# Altium PCB Motherboard.PcbDoc (part 1 of 3) (continued)
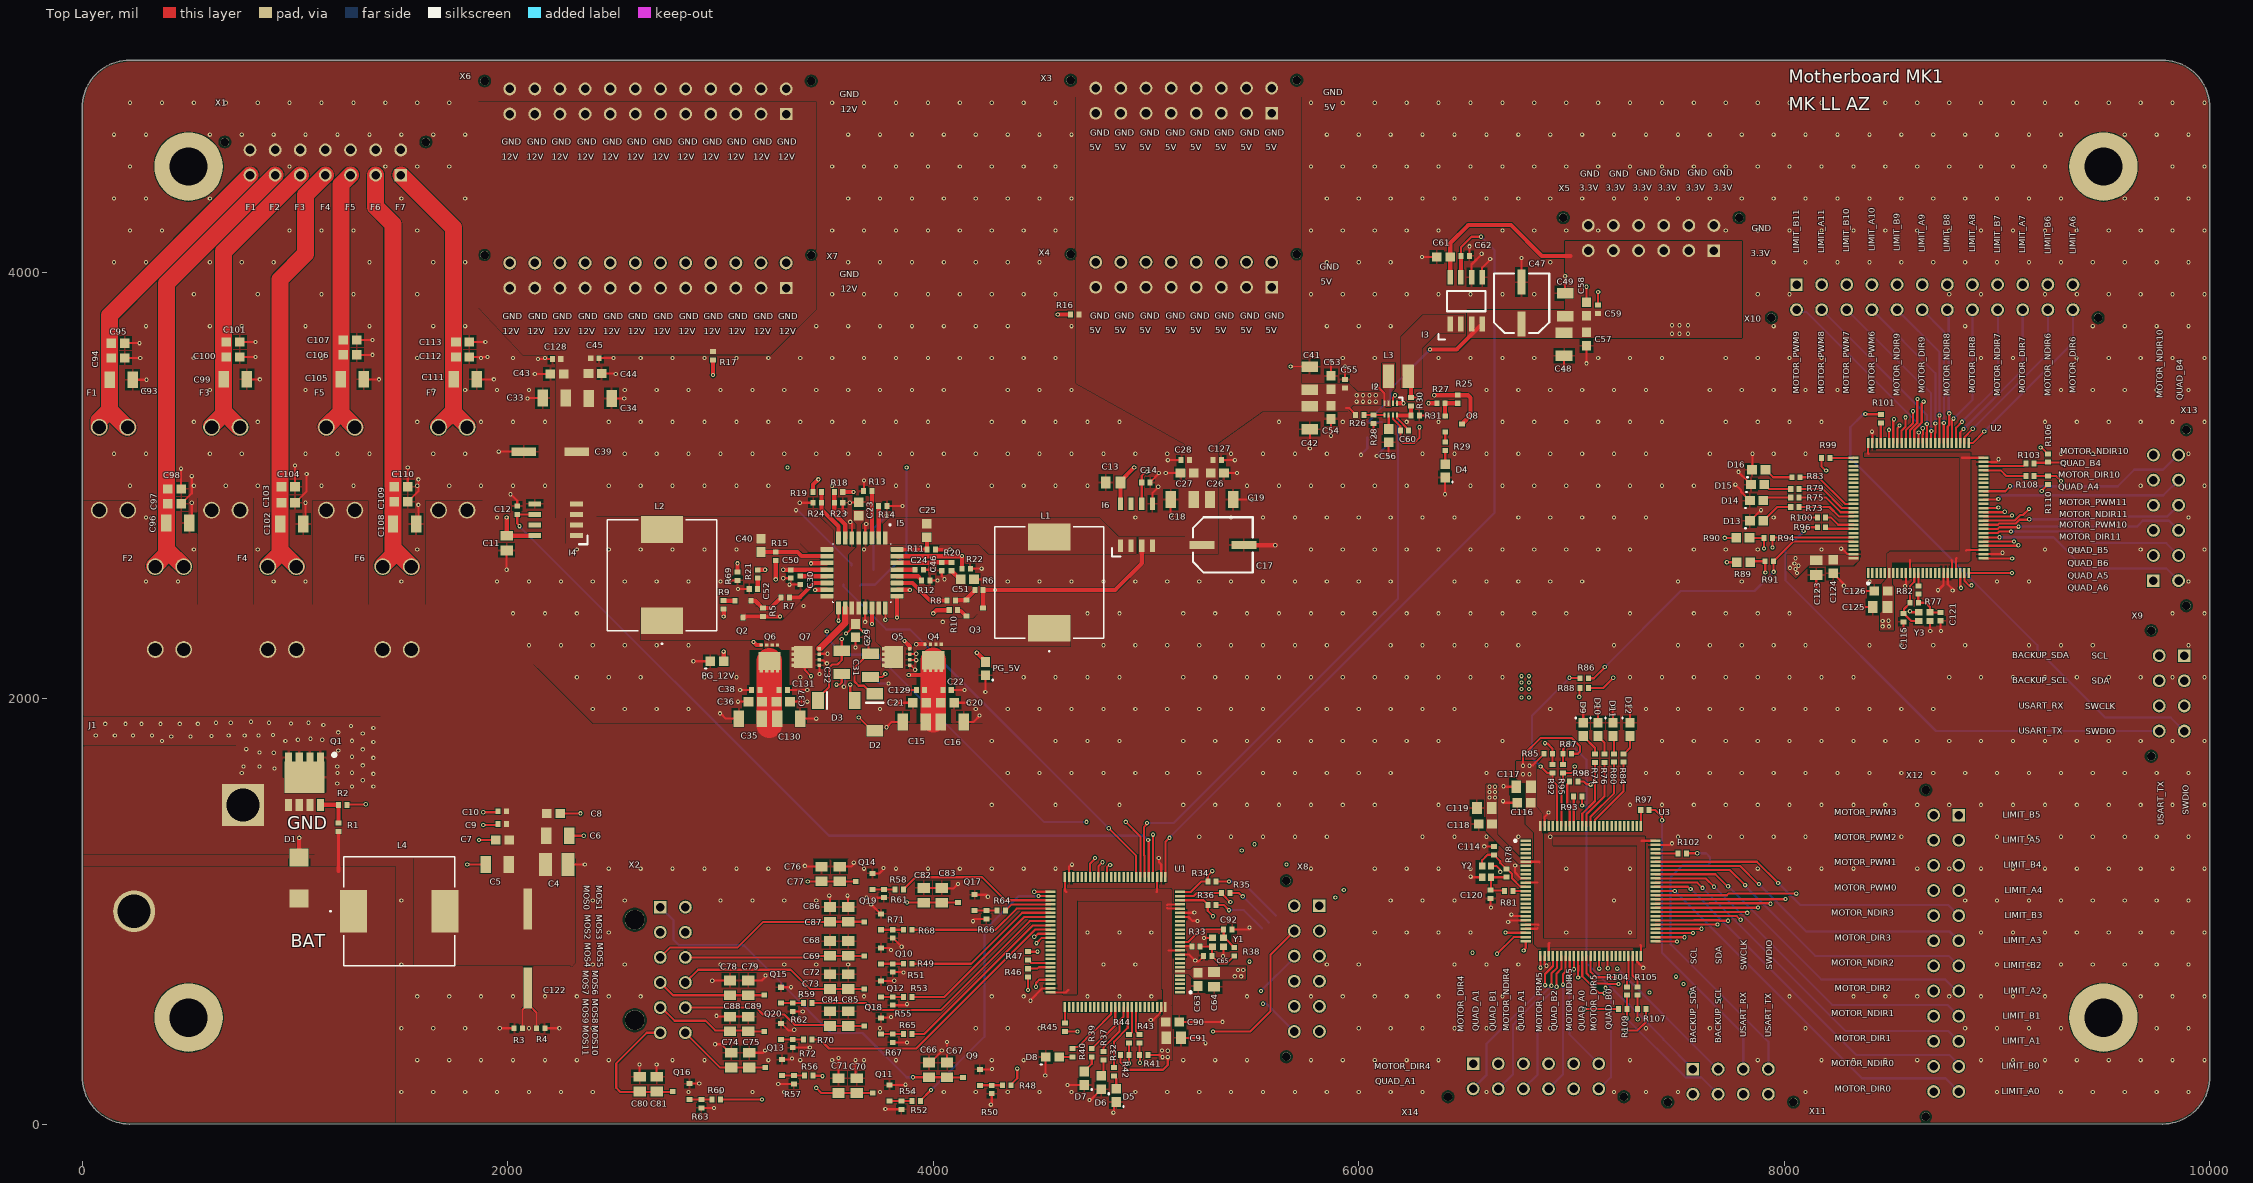
[diagram p0: Top Layer view]
## Components (designator, comment, footprint, x,y, rotation, side; value= is the part's Value field where it differs from the comment) (continued)
R96 "RC0402FR-070RL" RES-0402 8175,2805 r180 top
R97 "RC0402FR-070RL" RES-0402 7345,1475 r0 top
R98 "RC0402FR-070RL" RES-0402 7010,1610 r0 top
R99 "RC0402FR-070RL" RES-0402 8195,3130 r180 top
R100 "RC0402FR-070RL" RES-0402 8175,2850 r180 top
R101 "RC0402FR-070RL" RES-0402 8455,3315 r90 top
R102 "RC0402FR-070RL" RES-0402 7520,1272.17 r0 top
R103 "RC0402FR-070RL" RES-0402 9155,3105 r180 top
R104 "RC0402FR-070RL" RES-0402 7260,625 r90 top
R105 "RC0402FR-070RL" RES-0402 7310,625 r90 top
R106 "RC0402FR-7W4K7L" RES-0402 9240,3130 r90 top
R107 "RC0402FR-7W4K7L" RES-0402 7330,540 r0 top
R108 "RC0402FR-070RL" RES-0402 9155,3045 r180 top
R109 "RC0402FR-7W4K7L" RES-0402 7240,540 r0 top
R110 "RC0402FR-7W4K7L" RES-0402 9240,3025 r90 top
U1 "STM32F100VBT7B" IC-STM32F100-0001 4855.31,855 r90 top
U2 "STM32F100VBT7B" IC-STM32F100-0001 8630.32,2895.12 r0 top
U3 "STM32F100VBT7B" IC-STM32F100-0001 7090,1095 r270 top
X1 "Molex - Micro-Fit 3.0 Series connector,  3.00mm (0.118\") pitch header, 14 positions." 43045-1412 1143.11,4460 r0 top
X2 "Molex - Micro-Fit 3.0 Series connector,  3.00mm (0.118\") pitch header, 12 positions." 44764-1201 2716.89,724.06 r270 top
X3 "Molex - Micro-Fit 3.0 Series connector,  3.00mm (0.118\") pitch header, 16 positions." 43045-1612 5177.17,4750.69 r0 top
X4 "Molex - Micro-Fit 3.0 Series connector,  3.00mm (0.118\") pitch header, 16 positions." 43045-1612 5177.17,3932.8 r0 top
X5 "Molex - Micro-Fit 3.0 Series connector,  3.00mm (0.118\") pitch header, 12 positions." 43045-1212 7374.06,4105 r0 top
X6 "Molex 43045-2412" 43045-2412 2659.06,4746.89 r0 top
X7 "Molex 43045-2412" 43045-2412 2659.06,3929 r0 top
X8 "Molex - Micro-Fit 3.0 Series connector,  3.00mm (0.118\") pitch header, 12 positions." 43045-1212 5815,730 r90 top
X9 "Molex 43045-0812" 43045-0812 9880,2024.06 r90 top
X10 "Molex 43045-2412" 43045-2412 8707.17,3945 r180 top
X11 "Molex 43045-0812" 43045-0812 7747.83,258.11 r180 top
X12 "Molex 43045-2412" 43045-2412 8820,802.17 r90 top
X13 "Molex - Micro-Fit 3.0 Series connector,  3.00mm (0.118\") pitch header, 12 positions." 43045-1212 9735,2849.06 r270 top
X14 "Molex - Micro-Fit 3.0 Series connector,  3.00mm (0.118\") pitch header, 12 positions." 43045-1212 6832.83,283.11 r180 top
Y1 "ECS-240-6-37B-7KM-TR" CRYSTAL-4-SMD-0001 5311.85,833.66 r0 top
Y2 "ECS-240-6-37B-7KM-TR" CRYSTAL-4-SMD-0001 6580,1213.15 r270 top
Y3 "ECS-240-6-37B-7KM-TR" CRYSTAL-4-SMD-0001 8631.85,2363.66 r0 top

## Footprints (in the part's own frame and the unit in brackets; to place one, negate y for a bottom-side part, rotate by r counter-clockwise, add the part's x,y. Pads: shape width x height; smd on the part's side, far side on the other; paste and mask are expansions set on the pad)
43045-0812 [mm]
  round 1.02 hole 1.02 unplated: 1(-7.5,3.94) 1(7.5,3.94)
  rect 1.482x1.482 / inner rect 1.524x1.524 / far side rect 1.482x1.482 hole 1.02: P$1(4.5,0)
  round 1.53 / inner round 1.524 / far side round 1.53 hole 1.02: P$2(1.5,0) P$3(-1.5,0) P$4(-4.5,0) P$5(4.5,3) P$6(1.5,3) P$7(-1.5,3) P$8(-4.5,3)
  body extent -8.07,-2.45 8.08,6.32, height 10.03
43045-1212 [mm]
  round 1.02 hole 1.02 unplated: 1(-10.5,3.94) 1(10.5,3.94)
  rect 1.482x1.482 / inner rect 1.524x1.524 / far side rect 1.482x1.482 hole 1.02: P$1(7.5,0)
  round 1.53 / inner round 1.524 / far side round 1.53 hole 1.02: P$2(4.5,0) P$3(1.5,0) P$4(-1.5,0) P$5(-4.5,0) P$6(-7.5,0) P$7(7.5,3) P$8(4.5,3) P$9(1.5,3) P$10(-1.5,3) P$11(-4.5,3) P$12(-7.5,3)
43045-1412 [mm]
  round 1.02 hole 1.02 unplated: 1(-12,3.94) 1(12,3.94)
  rect 1.482x1.482 / inner rect 1.524x1.524 / far side rect 1.482x1.482 hole 1.02: P$1(9,0)
  round 1.53 / inner round 1.524 / far side round 1.53 hole 1.02: P$2(6,0) P$3(3,0) P$4(0,0) P$5(-3,0) P$6(-6,0) P$7(-9,0) P$8(9,3) P$9(6,3) P$10(3,3) P$11(0,3) P$12(-3,3) P$13(-6,3) P$14(-9,3)
43045-1612 [mm]
  round 1.02 hole 1.02 unplated: 1(-13.5,3.94) 1(13.5,3.94)
  rect 1.482x1.482 / inner rect 1.524x1.524 / far side rect 1.482x1.482 hole 1.02: P$1(10.5,0)
  round 1.53 / inner round 1.524 / far side round 1.53 hole 1.02: P$2(7.5,0) P$3(4.5,0) P$4(1.5,0) P$5(-1.5,0) P$6(-4.5,0) P$7(-7.5,0) P$8(-10.5,0) P$9(10.5,3) P$10(7.5,3) P$11(4.5,3) P$12(1.5,3) P$13(-1.5,3) P$14(-4.5,3) P$15(-7.5,3) P$16(-10.5,3)
43045-2412 [mm]
  round 1.02 hole 1.02 unplated: 1(-19.5,3.94) 1(19.5,3.94)
  rect 1.482x1.482 / inner rect 1.524x1.524 / far side rect 1.482x1.482 hole 1.02: P$1(16.5,0)
  round 1.53 / inner round 1.524 / far side round 1.53 hole 1.02: P$2(13.5,0) P$3(10.5,0) P$4(7.5,0) P$5(4.5,0) P$6(1.5,0) P$7(-1.5,0) P$8(-4.5,0) P$9(-7.5,0) P$10(-10.5,0) P$11(-13.5,0) P$12(-16.5,0) P$13(16.5,3) P$14(13.5,3) P$15(10.5,3) P$16(7.5,3) P$17(4.5,3) P$18(1.5,3) P$19(-1.5,3) P$20(-4.5,3) P$21(-7.5,3) P$22(-10.5,3) P$23(-13.5,3) P$24(-16.5,3)
  body extent -20.07,-2.45 20.08,6.32, height 10.03
44764-1201 [mm]
  round 2.36 hole 2.36 unplated: 1(-6,-3.05) 1(6,-3.05)
  rect 1.482x1.482 / inner rect 1.524x1.524 / far side rect 1.482x1.482 hole 1.02: P$1(-7.5,0)
  round 1.53 / inner round 1.524 / far side round 1.53 hole 1.02: P$2(-4.5,0) P$3(-1.5,0) P$4(1.5,0) P$5(4.5,0) P$6(7.5,0) P$7(-7.5,3) P$8(-4.5,3) P$9(-1.5,3) P$10(1.5,3) P$11(4.5,3) P$12(7.5,3)
CAP-0402 [mm]
  rect 0.6x0.7 smd: 1(-0.5,0) 2(0.5,0)
  body extent -0.5,-0.22 0.5,0.23, height 0.5
CAP-0603 [mm]
  rect 1.15x1.1 smd: 1(-0.8,0) 2(0.8,0)
  body extent -0.8,-0.45 0.8,0.45, height 0.8
CAP-0805 [mm]
  rect 1.16x1.47 smd: 1(-0.88,0) 2(0.88,0)
  body extent -1,-0.63 1,0.63, height 0.94
CAP-1206 [mm]
  rect 1.25x2 smd: 1(-1.375,0) 2(1.375,0)
  body extent -1.6,-0.8 1.6,0.8, height 1.5
"CAP-1206 - duplicate" [mm]
  rect 1.25x2 smd: 1(-1.248,0) 2(1.502,0)
  body extent -1.47,-0.8 1.73,0.8, height 1.5
CAP-1210 [mm]
  rect 1.53x2.72 smd: 1(-1.341,0) 2(1.341,0)
  body extent -1.6,-1.25 1.6,1.25, height 2.7
CON-2POS-0002 [mm]
  rect 5x5 hole 3.96: 1(-6.35,6.5)
  round 5 hole 3.96: 2(6.35,-6.5)
  body extent -13.97,-12.09 13.97,9.5, height 22.61
CRYSTAL-4-SMD-0001 [mm]
  rect 0.85x0.75 smd: 1(0,0) 2(0,1.05) 2(1.35,0) 3(1.35,1.05)
  body extent -0.33,-0.28 1.68,1.33, height 0.5
DIO-SOD128 [mm]
  rect 2x1.4 smd: 1(0,2.2) 2(0,-2.2)
  silkscreen extent -1.02,-1.14 1.02,-1.14, body extent -1.25,-2.35 1.25,2.35, height 1.05
"DO-214AA (SMBJ)" [mm]
  rect 2.16x2.26 smd: 1(-2.416,0) 2(2.484,0)
  body extent -2.72,-1.95 2.78,1.95, height 2.45
ELEC-47U-0001 [mm]
  rect 4.9x1 smd: 1(-4.7,0) 2(4.7,0)
  body extent -6.1,-5.25 6.1,5.25, height 10.21
ELEC-220U-0001 [mm]
  rect 1x3 smd: 1(0,2.5) 2(0,-2.5)
  silkscreen extent -3.3,-3.56 3.3,3.56, body extent -3.3,-3.5 3.3,3.5, height 7.95
ELEC-220U-0002 [mm]
  rect 2.9x1 smd: 1(-3.15,0) 2(3.15,0)
  body extent -4.45,-4.25 4.45,4.25, height 10.54
FUSE-ATM-0001 [mm]
  round 2 hole 1.6: 1(-4.95,-1.7) 1(-4.95,1.7) 2(4.95,-1.7) 2(4.95,1.7)
  body extent -8,-3.37 8,3.37, height 7.37
IC-BUCK-8SOIC [mm]
  rect 0.6x1.5 smd: 1(-1.905,-2.5) 2(-0.635,-2.5) 3(0.635,-2.5) 4(1.905,-2.5) 5(1.905,2.5) 6(0.635,2.5) 7(-0.635,2.5) 8(-1.905,2.5)
  silkscreen extent -2.92,-3.81 -1.9,-2.79, body extent -2.45,-3 2.45,3, height 1.75
IC-BUCK-TQFP-7x7 [mm]
  rrect25% 1.56x0.55 smd: 1(-4.18,2.8) 2(-4.18,2) 3(-4.18,1.2) 4(-4.18,0.4) 5(-4.18,-0.4) 6(-4.18,-1.2) 7(-4.18,-2) 8(-4.18,-2.8) 17(4.18,-2.8) 18(4.18,-2) 19(4.18,-1.2) 20(4.18,-0.4) 21(4.18,0.4) 22(4.18,1.2) 23(4.18,2) 24(4.18,2.8)
  rrect25% 0.55x1.56 smd: 9(-2.8,-4.18) 10(-2,-4.18) 11(-1.2,-4.18) 12(-0.4,-4.18) 13(0.4,-4.18) 14(1.2,-4.18) 15(2,-4.18) 16(2.8,-4.18) 25(2.8,4.18) 26(2,4.18) 27(1.2,4.18) 28(0.4,4.18) 29(-0.4,4.18) 30(-1.2,4.18) 31(-2,4.18) 32(-2.8,4.18)
  silkscreen extent -5.84,-3.5 3.5,3.5, body extent -4.5,-4.5 4.5,4.5, height 1.2
IC-CURRENT-0001 [mm]
  rect 0.65x1.75 smd: 1(-1.905,-2.8) 2(-0.635,-2.8) 3(0.635,-2.8) 4(1.905,-2.8) 5(1.905,2.8) 6(0.635,2.8) 7(-0.635,2.8) 8(-1.905,2.8)
  silkscreen extent -3.3,-4.65 2.29,1.14
IC-SOT583 [mm]
  rect 0.25x0.6 smd: 1(-0.762,-0.7) 2(-0.262,-0.7) 3(0.238,-0.7) 4(0.738,-0.7) 5(0.738,0.7) 6(0.238,0.7) 7(-0.262,0.7) 8(-0.762,0.7)
  silkscreen extent -1.4,-1.4 -1.02,-1.02, body extent -1.11,-0.85 1.11,0.85, height 0.56
IC-STM32F100-0001 [mm] "STM32F100VBT7b"
  rect 0.3x1.2 smd: 1(-6,-7.75) 2(-5.5,-7.75) 3(-5,-7.75) 4(-4.5,-7.75) 5(-4,-7.75) 6(-3.5,-7.75) 7(-3,-7.75) 8(-2.5,-7.75) 9(-2,-7.75) 10(-1.5,-7.75) 11(-1,-7.75) 12(-0.5,-7.75) 13(0,-7.75) 14(0.5,-7.75) 15(1,-7.75) 16(1.5,-7.75) 17(2,-7.75) 18(2.5,-7.75) 19(3,-7.75) 20(3.5,-7.75) 21(4,-7.75) 22(4.5,-7.75) 23(5,-7.75) 24(5.5,-7.75) 25(6,-7.75) 51(6,7.75) 52(5.5,7.75) 53(5,7.75) 54(4.5,7.75) 55(4,7.75) 56(3.5,7.75) 57(3,7.75) 58(2.5,7.75) 59(2,7.75) 60(1.5,7.75) 61(1,7.75) 62(0.5,7.75) 63(0,7.75) 64(-0.5,7.75) 65(-1,7.75) 66(-1.5,7.75) 67(-2,7.75) 68(-2.5,7.75) 69(-3,7.75) 70(-3.5,7.75) 71(-4,7.75) 72(-4.5,7.75) 73(-5,7.75) 74(-5.5,7.75) 75(-6,7.75)
  rect 1.2x0.3 smd: 26(7.75,-6) 27(7.75,-5.5) 28(7.75,-5) 29(7.75,-4.5) 30(7.75,-4) 31(7.75,-3.5) 32(7.75,-3) 33(7.75,-2.5) 34(7.75,-2) 35(7.75,-1.5) 36(7.75,-1) 37(7.75,-0.5) 38(7.75,0) 39(7.75,0.5) 40(7.75,1) 41(7.75,1.5) 42(7.75,2) 43(7.75,2.5) 44(7.75,3) 45(7.75,3.5) 46(7.75,4) 47(7.75,4.5) 48(7.75,5) 49(7.75,5.5) 50(7.75,6) 76(-7.75,6) 77(-7.75,5.5) 78(-7.75,5) 79(-7.75,4.5) 80(-7.75,4) 81(-7.75,3.5) 82(-7.75,3) 83(-7.75,2.5) 84(-7.75,2) 85(-7.75,1.5) 86(-7.75,1) 87(-7.75,0.5) 88(-7.75,0) 89(-7.75,-0.5) 90(-7.75,-1) 91(-7.75,-1.5) 92(-7.75,-2) 93(-7.75,-2.5) 94(-7.75,-3) 95(-7.75,-3.5) 96(-7.75,-4) 97(-7.75,-4.5) 98(-7.75,-5) 99(-7.75,-5.5) 100(-7.75,-6)
  silkscreen extent -6.13,-9.13 -5.87,-8.87, body extent -8,-8 8,8, height 1.6
IC-TEMP-0001 [mm]
  rect 0.65x1.05 smd: 1(-0.95,-1.15) 2(0.95,-1.15) 3(0,1.15)
  silkscreen extent -1.14,-0.25 1.14,0.25
IND-1210 [mm]
  rect 1.35x2.8 smd: 1(0,0) 2(2.35,0)
  body extent -0.43,-1.25 2.77,1.25, height 1.9
LED-0603 [mm]
  rect 1.15x1.1 smd: 1(-0.8,0) 2(0.8,0)
  silkscreen extent 1.27,0.89 1.4,0.89, body extent -0.8,-0.3 0.8,0.3, height 1
NMOS-8PowerVDFN [mm]
  rect 0.85x1.45 smd: 1(0,5.588) 2(1.27,5.588) 2(2.54,5.588) 2(3.81,5.588)
  rect 0.85x1.05 smd: 3(0,-0.112) 3(1.27,-0.112) 3(2.54,-0.112) 3(3.81,-0.112)
  rect 4.8x3.75 smd: 3(1.905,2.286)
  silkscreen extent -1.91,-0.64 -1.4,-0.13
NMOS-8TSON [mm]
  rect 0.4x0.4 smd: 1(0.975,-1.55) 2(-0.975,-1.55) 2(-0.325,-1.55) 2(0.325,-1.55)
  rect 0.4x0.3 smd: 3(-0.975,1.6) 3(-0.325,1.6) 3(0.325,1.6) 3(0.975,1.6)
  rect 2.65x2.2 smd: 3(0,0.35)
  body extent -1.65,-1.65 1.65,1.65, height 0.85
NMOS-SOT23-3 [mm]
  rect 0.6x0.7 smd: 1(-0.95,-1) 2(0.95,-1) 3(0,1)
  body extent -1.46,-1.18 1.46,1.19, height 1.12
NPN-420-0001 [mm]
  rect 0.6x0.7 smd: 1(-0.95,-1) 2(0.95,-1) 3(0,1)
  body extent -1.5,-1.25 1.5,1.25, height 1.09
PWRIND-1.5U-0002 [mil]
  rect 126x199 smd paste+0 mask+0: 1(-214.59,0) 2(214.59,0)
  silkscreen extent -326,-257 261,257, body extent -276,-252 276,252, height 256
PWRIND-3.3U-0002 [mil]
  rect 126x199 smd paste+0 mask+0: 1(-214.59,0) 2(214.59,0)
  silkscreen extent -326,-257 261,257, body extent -276,-252 276,252, height 256
RES-0402 [mm]
  rect 0.6x0.7 smd: 1(-0.5,0) 2(0.5,0)
  body extent -0.5,-0.25 0.5,0.25, height 0.3
RES-0603 [mm]
  rect 1.15x1.1 smd: 1(-0.8,0) 2(0.8,0)
  body extent -0.8,-0.4 0.8,0.4, height 0.43

## Part data
C1 C2 C3 C11 C13 C64 C91 C117 C119 C123 C125: library part CAP-1U-0003-JLC, "50V 1uF X7R ±10% 0805 Multilayer Ceramic Capacitors MLCC - SMD/SMT ROHS", JLC Part Number=C126592, Voltage=50V, assembled?=yes, Cap="1 uF +/- 10%"
C4: library part CAP-10U-0003, "10 µF ±10% 100V Ceramic Capacitor X7S 1210 (3225 Metric)", Package Size=1210, Voltage Rating=100V, Capcitance="10 uF"
C5 C6 C15 C16 C35 C93 C96 C99 C102 C105 C108 C111 C130: library part CAP-1U-0004-JLC, "100V 1uF X7R ±10% 1206 Multilayer Ceramic Capacitors MLCC - SMD/SMT ROHS", Capacitance="1 uF +/- 10%", JLC Part Number=C106026, Voltage=100V, Assembled=yes
C7 C20 C25 C26 C29 C36 C40 C43 C53 C57 C61 C94 C97 C100 C103 C106 C109 C112: library part CAP-100N-0002-JLC, "100V 100nF X7R ±10% 0603 Multilayer Ceramic Capacitors MLCC - SMD/SMT ROHS", Capacitance="100 nF +/- 10%", JLC Part Number=C113803, Voltage=100V, assembled?=yes
C8 C21 C27 C37 C44 C54 C56 C58 C63 C90 C95 C98 C101 C104 C107 C110 C113 C116 C118 C124 C126: library part CAP-10N-0003-JLC, "100V 10nF X7R ±10% 0603 Multilayer Ceramic Capacitors MLCC - SMD/SMT ROHS", Capacitance="10nF +/-10%", JLC Part Number=C107059, Manufacturer=Yageo, Package Size=0603, Temperature Coefficient=X7R, Voltage Rating=100V, assembled?=yes, Manufacturer Part Number=CC0603KRX7R0BB103
C9 C10 C12 C14 C22 C28 C38 C45 C55 C59 C62 C127 C128 C129 C131: library part CAP-1N-0004-JLC, "100V 1nF C0G ±10% 0402 Multilayer Ceramic Capacitors MLCC - SMD/SMT ROHS", Capacitance="1 nF +/- 10%", JLC Part Number=C696348, Voltage=100V, assembled?=yes
C17 C47: library part ELEC-220U-0001, "220 µF 16 V Aluminum Electrolytic Capacitors Radial, Can - SMD 2000 Hrs @ 105°C", Capacitance="220uF +/-20%", Manufacturer=Nichicon, Voltage Rating=16V, assembled?=no, Manufacturer Part Number=UUD1C221MCL1GS
C18 C19 C33 C34 C41 C42 C48 C49: library part CAP-10U-0001, "10 µF ±10% 50V Ceramic Capacitor X7R 1206 (3216 Metric)", Capacitance="10uF +/-20%", Manufacturer="Samsung Electro-Mechanics", Package Size=1206, Temperature Coefficient=X7R, Voltage Rating=50V, assembled?=no, Manufacturer Part Number=CL31B106KBHNNNE
C23: library part CAP-4.7U-0002-JLC, "25V 4.7uF X5R ±10% 0603 Multilayer Ceramic Capacitors MLCC - SMD/SMT ROHS", Capacitacen="4.7 uF +/- 10%", JLC Part Number=C326580, Voltage=25V, Assembled=yes
C24 C30: library part CAP-33N-0002-JLC, "50V 33nF X7R ±10% 0402  Multilayer Ceramic Capacitors MLCC - SMD/SMT ROHS", Capacitance="33 nF +/- 10%", JLC Part Number=C415530, Voltage=50V, assembled?=yes
C31 C32: library part CAP-1U-0001, "1 µF ±10% 100V Ceramic Capacitor X7R 1206 (3216 Metric)", Capacitance="1 uF +/- 10%", Voltage=100V
C39: library part ELEC-220U-0002, "220 µF 25 V Aluminum Electrolytic Capacitors Radial, Can - SMD 300mOhm @ 100kHz 3000 Hrs @ 125°C", Capacitance="220 uF +/- 20%", Voltage=25V, SIze="0.327 in x 0.327 in"
C46 C50: library part CAP-2P-0002-JLC, "50V 2pF C0G ±0.25pF 0402 Multilayer Ceramic Capacitors MLCC - SMD/SMT ROHS", JLC Part Number=C85879, Voltage=50V, Assembled=yes, Cap="2 pF +/- 0.25 pF"
C51: library part CAP-4.7P-0003-JLC, "100V 4.7pF NP0 ±0.25pF 0603 Multilayer Ceramic Capacitors MLCC - SMD/SMT ROHS", Capacitance="4.7 pF +/- 0.25 pF", JLC Part Number=C527037, Voltage=100V, Assembled=yes
C52: library part CAP-3P-0001-JLC, "50V 3pF NP0 ±0.1pF 0402 Multilayer Ceramic Capacitors MLCC - SMD/SMT ROHS", Capacitance="2 pF +/ 0.1 pF", JLC Part Number=C327228, Voltage=50V, Assembled=yes
C60: library part CAP-10P-0002-JLC, "50V 10pF NP0 ±5% 0402 Multilayer Ceramic Capacitors MLCC - SMD/SMT ROHS", Capacitance="10 pF +/- 5%", JLC Part Number=C106199, Manufacturer=Yageo, Package Size=0402, Temperature Coefficient="C0G, NP0", Voltage Rating=50V, assembled?=Yes, Manufacturer Part Number=CC0402JRNPO9BN100
C65 C92 C114 C115 C120 C121: library part CAP-8P-0002-JLC, "50V 8pF NP0 ±0.5pF 0402 Multilayer Ceramic Capacitors MLCC - SMD/SMT ROHS", JLC Part Number=C327227, Assembled=yes, Capaitance="8 pF +/- 0.5 pF", Parameter 2=50V
C66 C67 C68 C69 C70 C71 C72 C73 C74 C75 C76 C77 C78 C79 C80 C81 C82 C83 C84 C85 C86 C87 C88 C89: library part CAP-10U-0002, "10 µF ±10% 16V Ceramic Capacitor X7R 0805 (2012 Metric)", Capacitance="10 uF", Package Size=0805, Voltage Rating=16V
C122: library part ELEC-47U-0001, "47 µF 100 V Aluminum Electrolytic Capacitors Radial, Can - SMD 2000 Hrs @ 105°C", Capacitance="47U +/- 20%", Voltage=100V
D1: library part DIO-69.4V-0001, "69.4V Clamp 8.7A Ipp Tvs Diode Surface Mount DO-214AA (SMBJ)", Breakdown Voltage=47.8V, Package="DO-214AA (SMBJ)", Peak pulser current=8.7A, Reverse working maximum voltage=43V, Channels=Bidirectional, Vclamp=69.4V
D2 D3: library part DIO-0.53V-0001, "Diode Schottky 60 V 3A Surface Mount SOD-128/CFP5", Current Rating=3A, Manufacturer="Nexperia USA Inc.", Package=SOD-128/CFP5, Vf (Voltage Forward)="530 mV", Assembled=no, Manufacturer Part Number=PMEG6030EP,115
D4 D5 D6 D7 D8 D9 D10 D11 D12 D13 D14 D15 D16 PG_5V PG_12V: library part LED_Amber_0001, "CAP CER 0.1UF 100V X7R 0603", Color=Amber, Current Rating=20mA, Manufacturer="Wurth Electronik", Package Size=0603, assembled?=no, Manufacturer Part Number=150060AS75000, Vf=2V
F1 F2 F3 F4 F5 F6 F7: library part FUSE-ATM-0001, "Fuse Holder 30 A 500V 1 Circuit Blade Through Hole", Current=30A, Voltage Rating=500V, Manufacturer Part Number=3568
I1 I7 I8: library part IC-TEMP-0001, "Temperature Sensor Analog, Local -10°C ~ 125°C 19.5mV/°C SOT-23-3", Manufacturer="Microchip Technology", Package=SOT-23-3, assembled?=no, Manufacturer Part Number=MCP9701T-E/TT, VCC-Max=5.5V, VCC-Min=3.3V
I2: library part IC-BUCK-0003, "Buck Switching Regulator IC Positive Adjustable 0.6V 1 Output 2A SOT-583", Manufacturer="Monolithic Power Systems", Output Current-Max=2A, Package=SOT-583, Vout-Tolerance=+/-1%, assembled?=no, Fsw=1.2MHz, Manufacturer Part Number=MP2182GTL-P, Type=Buck, VCC-Max=5.5V, VCC-Min=2.5V, Vout-Max=5.5V, Vout-Min=0.6V
I3: library part IC-CURRENT-0001, "Current Sensor 10A 1 Channel Hall Effect, Open Loop Unidirectional 8-SOIC (0.154\", 3.90mm Width)"
I4 I6: library part IC-CURRENT-0002, "Current Sensor ±20A 1 Channel Hall Effect Bidirectional 8-SOIC (0.154\", 3.90mm Width)", Manufacturer Part Number=MCS1802GS-20-Z
I5: library part IC-BUCK-0005, "Buck Regulator Positive Output Step-Down - DC-DC Controller IC 32-TQFP (7x7)", Package="TQFP-32 Maxim", Check_prices=https://www.snapeda.com/parts/MAX17559ACJ+/Maxim+Integrated/view-part/?ref=eda, Digi-Key_Part_Number=MAX17559ACJ+T-ND, MF="Maxim Integrated", MP=MAX17559ACJ+, Purchase-URL=https://pricing.snapeda.com/search/part/MAX17559ACJ+/?ref=eda, SnapEDA_Link=https://www.snapeda.com/parts/MAX17559ACJ+/Maxim+Integrated/view-part/?ref=snap
J1: library part CON-2POS-0002, "2 Circuit 0.500\" (12.70mm) Barrier Block Connector Screws with Captive Plate", Current=50A, Voltage=600V
L1: library part PWRIND-3.3U-0002, "3.3 µH Shielded Drum Core, Wirewound Inductor 18 A 6.8mOhm Max Nonstandard", DC Resistance="6.8mOhm max", Inductance="3.3uH +/- 20%", Manufacturer="Bourns Electronics", Saturation Current=30A, Copyright="Copyright (C) 2022 Ultra Librarian. All rights reserved.", Dimensions=12.5x13.5x6.2, Manufacturer Part Number=SRP1265A-3R3M, Type=DEV
L2 L4: library part PWRIND-1.5U-0002, "1.5 µH Shielded Drum Core, Wirewound Inductor 27 A 3mOhm Max Nonstandard", DC Resistnace="3.0mOhm max", Inductance="1.5uH +/- 20%", Manufacturer="Bourns Electronics", Saturation Current=45A, Copyright="Copyright (C) 2022 Ultra Librarian. All rights reserved.", Dimensions=12.5x13.5x6.2, Manufacturer Part Number=SRP1265A-1R5M, Type=DEV
L3: library part PWRIND-1.5U-0001, "1.5 µH Shielded Drum Core, Wirewound Inductor 4.4 A 53mOhm Max 1210 (3225 Metric)", DC Resistance="53 mOhm", Inductance="1.5 uH +/- 20%", Manufacturer="Bourns Inc.", Package Size=1210, Saturation Current=5A, assembled?=Yes, Manufacturer Part Number=SRP3212-1R5M
Q1: library part NMOS-60A-0001, "N-Channel 60 V 60A (Tc) 81W (Tc) Surface Mount 8-SOP Advance (5x5)", Drain Current=60A, Package=8-PowerVDFN, Vdss=60V, Vgs="2.5V @ 220uA", Vgs(Max)=20V
Q2 Q3 Q8: library part BJT-420-0001, "Bipolar (BJT) Transistor NPN 45 V 100 mA 100MHz 250 mW Surface Mount TO-236AB", Package=TO-236AB, hFE="420 @2mA, 5V", Ic=100mA, Transistor type=NPN, VCEO=45V
Q4 Q5 Q6 Q7: library part NMOS-26A-0001, "N-Channel 60 V 26A (Tc) 610mW (Ta), 61W (Tc) Surface Mount 8-TSON Advance (3.1x3.1)", Manufacturer=Toshiba, Package="8-TSON Advance", assembled?=no, FET type=N-Channel, Id-Continuous=26A, Manufacturer Part Number=TPN11006PL,LQ, Rds On-Max=18.1mOhm, VDS-Max=60V, Vgs-Max=20V
Q9 Q10 Q11 Q12 Q13 Q14 Q15 Q16 Q17 Q18 Q19 Q20: library part NMOS-5.6A-0001, "N-Channel 30 V 5.6A (Ta) 1.2W (Ta) Surface Mount SOT-23", Drain Current=5.6A, Package Size=SOT23, Manufacturer Part Number=YJL3404A, Rds On="24 mOhm", Vdss=30V, Vgs(th)=2.2V
R1 R30: library part RES-200K-0002-JLC, "62.5mW 50V ±1% ±200ppm/℃ -55℃~+155℃ 200kΩ 0402  Chip Resistor - Surface Mount ROHS", JLC Part Number=C258094, Power="1/16 W", Resistance="200k Ohm +/- 1%", assembled?=yes
R2 R17 R25: library part RES-100K-0002-JLC, "100mW Thick Film Resistors ±5% ±200ppm/℃ -55℃~+155℃ 100kΩ 0402  Chip Resistor - Surface Mount ROHS", JLC Part Number=C413017, Power="1/10 W", Resistance="100k Ohm +/- 5%", assembled?=yes
R3 R4: library part RES-1-0002-JLC, "100mW Thick Film Resistors ±5% -100ppm/℃~+600ppm/℃ -55℃~+155℃ 1Ω 0402 Chip Resistor - Surface Mount ROHS", JLC Part Number=C412890, Power="1/10 W", Resistanvce="1 Ohm +/- 5%", assembled?=yes
R5 R6 R16 R18 R19 R27 R34 R35 R36 R50 R51 R54 R55 R57 R61 R62 R63 R66 R67 R71 R72: library part RES-10K-0003-JLC, "100mW Thick Film Resistors 100V ±5% ±200ppm/℃ -55℃~+155℃ 10kΩ 0402  Chip Resistor - Surface Mount ROHS", JLC Part Number=C278577, Power="1/10 W", Resistance="10K Ohm +/- 5%", assembled?=yes
R7 R8 R23 R24 R26 R28: library part RES-1K-0003-JLC, "62.5mW Thick Film Resistors 50V ±100ppm/℃ ±1% -55℃~+155℃ 1kΩ 0402 Chip Resistor - Surface Mount ROHS", JLC Part Number=C106235, Power="1/16 W", Resistance="1k Ohm +/- 5%", assembled?=yes
R9 R10: library part RES-220-0002-JLC, "62.5mW Thick Film Resistors 50V ±100ppm/℃ ±1% -55℃~+155℃ 220Ω 0402  Chip Resistor - Surface Mount ROHS", JLC Part Number=C160487, Power="1/16 W", Resistance="220 Ohm +/- 1%", assembled?=yes
R11: library part RES-5.76K-0002-JLC, "62.5mW Thick Film Resistors 50V ±100ppm/℃ ±1% -55℃~+155℃ 5.76kΩ 0402  Chip Resistor - Surface Mount ROHS", JLC Part Number=C11590, Power="1/16 W", Resistance="5.76K Ohm +/-1%", assembled?=yes
R12: library part RES-121K-0002-JLC, "100mW ±100ppm/℃ ±1% 121kΩ 0402  Chip Resistor - Surface Mount ROHS", JLC Part Number=C323687, Power="1/10 W", Resistance="121k Ohm +/- 1%", assembled?=yes
R13: library part RES-165K-0002-JLC, "62.5mW Thick Film Resistors 50V ±100ppm/℃ ±1% -55℃~+155℃ 165kΩ 0402  Chip Resistor - Surface Mount ROHS", JLC Part Number=C327368, Power="1/16 W", Resistance="165k Ohm +/- 1%", assembled?=yes
R14: library part RES-240K-0002-JLC, "62.5mW Thick Film Resistors 50V ±100ppm/℃ ±1% -55℃~+155℃ 240kΩ 0402  Chip Resistor - Surface Mount ROHS", JLC Part Number=C64043, Power="1/16 W", Resistance="240k Ohm +/- 1%", assembled?=yes
R15: library part RES-5.6K-0002-JLC, "100mW Thick Film Resistors ±5% ±200ppm/℃ -55℃~+155℃ 4.7kΩ 0402  Chip Resistor - Surface Mount ROHS", JLC Part Number=C413001, Power="1/10 W", Resistance="5.6K +/- 5%", assembled?=yes
R20: library part RES-78.7K-0002-JLC, "62.5mW 50V ±100ppm/℃ ±1% -55℃~+155℃ 78.7kΩ 0402  Chip Resistor - Surface Mount ROHS", JLC Part Number=C163454, Power="1/16 W", Resistance="78.7k Ohm +/- 1%", assembled?=yes
R21: library part RES-75K-0002-JLC, "62.5mW Thick Film Resistors 50V ±1% ±200ppm/℃ -55℃~+125℃ 75kΩ 0402  Chip Resistor - Surface Mount ROHS", JLC Part Number=C100527, Power="1/16 W", Resistance="75k Ohm +/- 1%", assembled?=yes
R22: library part RES-2K-0002-JLC, "100mW Thick Film Resistors 100V ±100ppm/℃ ±1% -55℃~+155℃ 2kΩ 0402  Chip Resistor - Surface Mount ROHS", JLC Part Number=C413086, Resistance="2k Ohm +/- 1%", assembled?=yes, Parameter 2="1/10 W"
R29 R48 R49 R52 R53 R56 R58 R59 R60 R64 R65 R68 R70: library part RES-33-0003-JLC, "100mW Thick Film Resistors ±100ppm/℃ ±1% -55℃~+155℃ 33Ω 0402  Chip Resistor - Surface Mount ROHS", JLC Part Number=C278594, Power="1/10 W", Resistance="33 Ohm +/- 1%", assembled?=yes
R31: library part RES-44.2K-0002-JLC, "62.5mW Thick Film Resistors 50V ±100ppm/℃ ±1% -55℃~+155℃ 44.2kΩ 0402  Chip Resistor - Surface Mount ROHS", JLC Part Number=C354260, Power=1/16W, Resistance="44.2k Ohm +/- 1%", assembled?=yes
R32 R37 R39 R40 R73 R74 R75 R76 R79 R80 R83 R84: library part RES-100-0003-JLC, "100mW Thick Film Resistors ±5% ±200ppm/℃ -55℃~+155℃ 100Ω 0402  Chip Resistor - Surface Mount ROHS", JLC Part Number=C412972, Power="1/10 W", Resistance="100 Ohm +/- 5%", assembled?=yes
R33 R43 R44 R45 R46 R47 R77 R81 R86 R88 R91 R92 R93 R94 R95 R96 R97 R98 R99 R100 R101 R102 R103 R104 R105 R108: library part RES-0-0002-JLC, "62.5mW Thick Film Resistors 50V -55℃~+155℃ 0Ω 0402 Chip Resistor - Surface Mount ROHS", JLC Part Number=C106231, Power="62.5 mW", Resistance="0 Ohm", assembled?=yes
R38 R78 R82: library part RES-1M-0002-JLC, "1/5W ±100ppm/℃ ±1% -55℃~+155℃ 1MΩ 0402 Chip Resistor - Surface Mount ROHS", JLC Part Number=C427259, Power="1/5 W", Resistance="1M Ohm +/- 1%", assembled?=yes
R41 R42 R85 R87 R106 R107 R109 R110: library part RES-4.7K-0003-JLC, "125mW Thick Film Resistors 50V ±1% ±200ppm/℃ -55℃~+155℃ 4.7kΩ 0402  Chip Resistor - Surface Mount ROHS", JLC Part Number=C606173, Power="1/8 W", Resistance="4.7k Ohm +/- 1%", assembled?=yes
R69: library part RES-7K-0001, "7.15 kOhms ±1% 0.063W, 1/16W Chip Resistor 0402 (1005 Metric) Automotive AEC-Q200 Thick Film", Power="1/16 W", Resistance="7.15K +/- 1%"
R89 R90: library part RES-4.7K-0002, "RES SMD 4.7K OHM 1% 1/10W 0603", Manufacturer=YAGEO, Package Size=0603, Power Rating=1/10W, Resistance="4.7kOhm +/-1%", assembled?=no, Manufacturer Part Number=AF0603FR-074K7L
U1 U2 U3: library part IC-STM32F100-0001, "ARM® Cortex®-M3 STM32F1 Microcontroller IC 32-Bit Single-Core 24MHz 128KB (128K x 8) FLASH 100-LQFP (14x14)", Package Size=100-LQFP, Manufacturer Part Number=STM32F100VBT7B, VCC="2 ~ 3.6V"
X1: library part HEADER_POS14_?43045-1412, Package=43045-1412, DeviceName=43045-1412, DeviceSetName=HEADER_POS14_?, GateName_1=G$1, LibraryName=con-molex-micro-fit-3_0_2, SymbolName_1=HEADER_POS14
X2: library part HEADER_POS12_?44764-1201, Package=44764-1201, DeviceName=44764-1201, DeviceSetName=HEADER_POS12_?, GateName_1=G$1, LibraryName=con-molex-micro-fit-3_0_2, SymbolName_1=HEADER_POS12
X3 X4: library part HEADER_POS16_?43045-1612, Package=43045-1612, DeviceName=43045-1612, DeviceSetName=HEADER_POS16_?, GateName_1=G$1, LibraryName=con-molex-micro-fit-3_0_2, SymbolName_1=HEADER_POS16
X5 X8 X13 X14: library part HEADER_POS12_?43045-1212, Package=43045-1212, DeviceName=43045-1212, DeviceSetName=HEADER_POS12_?, GateName_1=G$1, LibraryName=con-molex-micro-fit-3_0_2, SymbolName_1=HEADER_POS12
X6 X7 X10 X12: library part "Micro-Fit Molex 24 Pin Vertical", Package=43045-2412, DeviceName=43045-2412, DeviceSetName=HEADER_POS24_?, GateName_1=G$1, LibraryName=con-molex-micro-fit-3_0_2, SymbolName_1=HEADER_POS24
X9 X11: library part "Micro-Fit Molex 8 Pin 2 Row Vertical", Package=43045-0812, DeviceName=43045-0812, DeviceSetName=HEADER_POS8_?, GateName_1=G$1, LibraryName=con-molex-micro-fit-3_0_2, SymbolName_1=HEADER_POS8
Y1 Y2 Y3: library part CRYSTAL-24MHz-0001, "24 MHz ±7ppm Crystal 6pF 50 Ohms 4-SMD, No Lead", Equavalence Series Resistance="50 Ohm", Frequency="24 MHZ", Frequency Tolerance="+/- 7 ppm", Load Capacitance="6 pF", Manufacturer="ECS Inc.", Package Size=4-SMD, Manufacturer Part Number=ECS-240-6-37B-7KM-TR

## Free pads (board coordinates)
  round 322 hole 180: ""(500,500) ""(500,4500) ""(9500,500) ""(9500,4500)

## Via types
v1: diameter 20, hole 10, Top Layer to Bottom Layer, tented both sides, 1580 vias

## Nets (pads, with @x,y where several pads share a name; then routed paths per layer and width w, separated by ;. In a path a pad name is that pad's centre, name@x,y a point inside that pad or via, vN(x,y) a via of type N, cw(c..) or ccw(c..) an arc to the next point about the centre after c; other vN are vias at no path point)
3.3V: C1.1 C2.1 C3.1 C11.1 C13.1 C47.1 C48.1 C49.1 C57.1 C58.1 C59.1 C61.1 C63.1 C64.1 C90.1 C91.1 C116.1 C117.1 C118.1 C119.1 C123.1 C124.1 C125.1 C126.1 I1.1 I3.3 I3.4 I3.8 I4.8 I6.8 I7.1 I8.1 R34.2 R35.2 R36.2 R41.1 R42.2 R85.1 R87.1 R89.1 R90.2 R106.2 R107.2 R109.1 R110.1 U1.6 U1.11 U1.21 U1.22 U1.28 U1.50 U1.75 U1.100 U2.6 U2.11 U2.21 U2.22 U2.28 U2.50 U2.75 U2.100 U3.6 U3.11 U3.21 U3.22 U3.28 U3.50 U3.75 U3.100 X5.P$1 X5.P$2 X5.P$3 X5.P$4 X5.P$5 X5.P$6 | length 18349.1
  Top Layer w10: U1.75@4550.2,618.78 4623.78,618.78 4635,630 ; U1.50@4619.09,1160.12 4619.09,1095.91 4625,1090 ; R42.2@4880,325 4880,290 4915,255 5080,255 5102.14,277.14 v1(5102.14,314.06) ; R41.1@5009.69,325 5063.49,325 5073.49,315 v1@5075,315 ; 5050,1090 5052.17,1092.17 U1.28@5052.17,1160.12 ; 5100,1015 5102.52,1012.48 U1.21@5160.43,1012.48 ; 5100,1030 5102.17,1032.17 U1.22@5160.43,1032.17 ; 5105,815 5159.8,815 U1.11@5160.43,815.63 ; R36.2@5329.69,1030 5365,1030 v1(5390,1005) ; R34.2@5329.69,1140 v1@5385,1140 ; R35.2@5394.69,1085 5437.29,1085 5452.29,1070 v1(5455,1070) ; v1(6772.14,1684.06) 6772.14,1732.14 6855,1815 7000,1815 7040,1775 7040,1750 7030,1740 R87.1@7000,1740 ; U3.22@6784.88,917.83 6837.83,917.83 6840,920 ; U3.21@6784.88,937.52 6842.48,937.52 6845,935 ; U3.11@6784.88,1134.37 6785.51,1135 6840,1135 ; U3.6@6784.88,1232.8 6847.2,1232.8 6850,1230 ; v1(6802.14,1684.06) 6804.05,1685.97 6818.25,1685.97 6870,1737.72 R85.1@6870,1740 ; U3.28@6893.15,789.88 6893.15,848.15 6895,850 ; v1(7060,540) R109.1@7220.31,540 ; v1@7260,440 7310,440 7349.69,479.69 R107.2@7349.69,540 ; 7325,840 7326.22,838.78 U3.50@7326.22,789.88 ; 7330,1330 7331.22,1331.22 U3.75@7395.12,1331.22 ; v1(7720,2755) R90.2@7773.5,2755 ; v1(7730,2640) R89.1@7777.01,2640 ; U2.75@8394.09,3200.24 8394.09,3150.91 8395,3150 ; 8590,2650 8590.94,2649.06 U2.11@8590.94,2590 ; 8785,2650 8787.8,2647.2 U2.21@8787.8,2590 ; U2.22@8807.48,2590 8807.48,2657.48 8810,2660 ; 8835,3130 8836.34,3131.34 U2.50@8935.43,3131.34 ; 8855,2695 8858.27,2698.27 U2.28@8935.43,2698.27 ; v1(9205,3180) 9206.91,3178.09 9209.63,3178.09 9238.03,3149.68 R106.2@9240,3149.68 ; v1(9210,2975) 9210,2977.28 9238.03,3005.32 R110.1@9240,3005.32
  Top Layer w20: v1(1995,2850) C11.1@1995,2765 I4.8@2126.57,2765 ; I6.8@4880,2918.43 C13.1@4880,3015 4880,3021.1 4943.9,3085 v1(4945,3085) ; v1(6335,3640) 6460,3640 I3.4@6580,3760 ; I3.8@6430,3993.3 6430,4140 6515,4225 6715,4225 6860,4080 6995,4080
  Mid Layer 1 w10: v1(3315,3085) 3500,2900 v1(3500,2315) ; v1(5890,1065) 5890,1030 6445,475 7013.65,475 7048.65,440 v1(7255,440) ; v1(5930,1100) 6490,540 v1(7060,540) ; 7590,2770 7720,2640 v1(7730,2640) ; 7625,2820 7690,2755 v1@7715,2755 ; 7680,3055 7805,3180 v1(9205,3180) ; 7785,2940 7820,2975 v1(9210,2975)
  Mid Layer 4 w20: v1(1995,2850) 1995,2860 2220,3085 v1(4945,3085) 5500,3640 v1(6335,3640)
  Bottom Layer w10: v1(3500,2315) 3500,2284.17 3578.9,2205.28 C2.1@3585,2205.28 I7.1@3667.6,2205.28 3669.72,2205.28 I7.1@3670,2205 ; I1.1@3655,2530 3659.72,2534.72 C1.1@3720,2534.72 3726.1,2534.72 3875,2683.62 v1(3875,3085) ; v1(5390,1005) 5460,1005 5545,920 ; v1(5390,1140) 5450,1140 5610,980 ; v1(5455,1070) 5577.09,947.91 ; I8.1@6110,3300 6040.28,3300 C3.1@6040,3300.28 6046.1,3300.28 6063.94,3318.11 6063.94,3324.21 6150,3410.28 6150,3455 v1(6335,3640)
  other v1: 5077.14,314.06 5102.14,344.06 5075,345 5417.14,694.06 5447.14,694.06 5432.14,724.06 5457.14,724.06 6615,1535 6640,1535 6615,1560 6640,1560 6615,1585 6640,1585 6772.14,1644.06 6802.14,1644.06 6765,2005 6800,2005 6765,2045 6800,2045 6765,2075 6800,2075 6765,2105 6800,2105 8462.14,2339.06 8492.14,2339.06 8462.14,2364.06 8490,2365 8060,2590 8052.14,2609.06 8027.14,2614.06 8067.14,2624.06 8047.14,2634.06 8052.14,2659.06 7472.14,3714.06 7507.14,3714.06 7547.14,3714.06 7472.14,3754.06 7507.14,3754.06 7547.14,3754.06
5V_Main: C17.1 C18.1 C19.1 C26.1 C27.1 C28.1 C41.1 C42.1 C53.1 C54.1 C55.1 C127.1 I2.2 I6.3 I6.4 Q2.3 Q3.3 Q8.3 R5.2 R6.2 R16.2 R25.2 R26.2 X3.P$1 X3.P$2 X3.P$3 X3.P$4 X3.P$5 X3.P$6 X3.P$7 X3.P$8 X4.P$1 X4.P$2 X4.P$3 X4.P$4 X4.P$5 X4.P$6 X4.P$7 X4.P$8 | length 2619.8
  Top Layer w10: 5940,3365 5954.72,3365 5985,3334.72 R26.2@5985,3330 ; I2.2@6160.31,3387.56 6160.31,3412.61 6170,3422.29 v1(6170,3425)
  Top Layer w20: Q2.3@3105,2380.63 3105,2382.6 3106.81,2384.41 3117.62,2384.41 3118.53,2385.32 R5.2@3198.03,2385.32 ; R5.2@3200,2385 v1(3280,2385) ; Q3.3@4234.37,2424.68 4234.53,2424.84 4234.53,2509.53 4235,2510 v1@4285,2510 ; v1(4290,2510) 4855,2510 4980,2635 I6.3@4980,2720 ; v1(6355,3425) 6513.28,3425 6525,3413.28 6525,3330 6488.78,3293.78 6488.78,3291.81 6486.97,3290 Q8.3@6485,3290
  Mid Layer 4 w20: v1(3280,2385) 3538.64,2385 3603.64,2450 4060,2450 4120,2510 v1(4290,2510)
  other v1: 5990,3395 6020,3395 6050,3395 6080,3395 5990,3425 6020,3425 6050,3425 6080,3425
12V_MAIN: C33.1 C34.1 C39.1 C43.1 C44.1 C45.1 C128.1 I4.3 I4.4 R17.2 X6.P$1 X6.P$2 X6.P$3 X6.P$4 X6.P$5 X6.P$6 X6.P$7 X6.P$8 X6.P$9 X6.P$10 X6.P$11 X6.P$12 X7.P$1 X7.P$2 X7.P$3 X7.P$4 X7.P$5 X7.P$6 X7.P$7 X7.P$8 X7.P$9 X7.P$10 X7.P$11 X7.P$12